# Altium PCB DE842170260.PcbDoc (part 1 of 2)
Units mm, origin at the board's own origin, x right, y up, seen from the top; angles counter-clockwise.
Board outline 79 x 26 mm, 7 copper layers (Top Layer, Layer 1, Layer 1 (Plane1), Layer 2, Layer 3, Layer 4, Bottom Layer), stack 1.171 mm thick; 199 components, 120 nets, 654 pads, 5 vias.
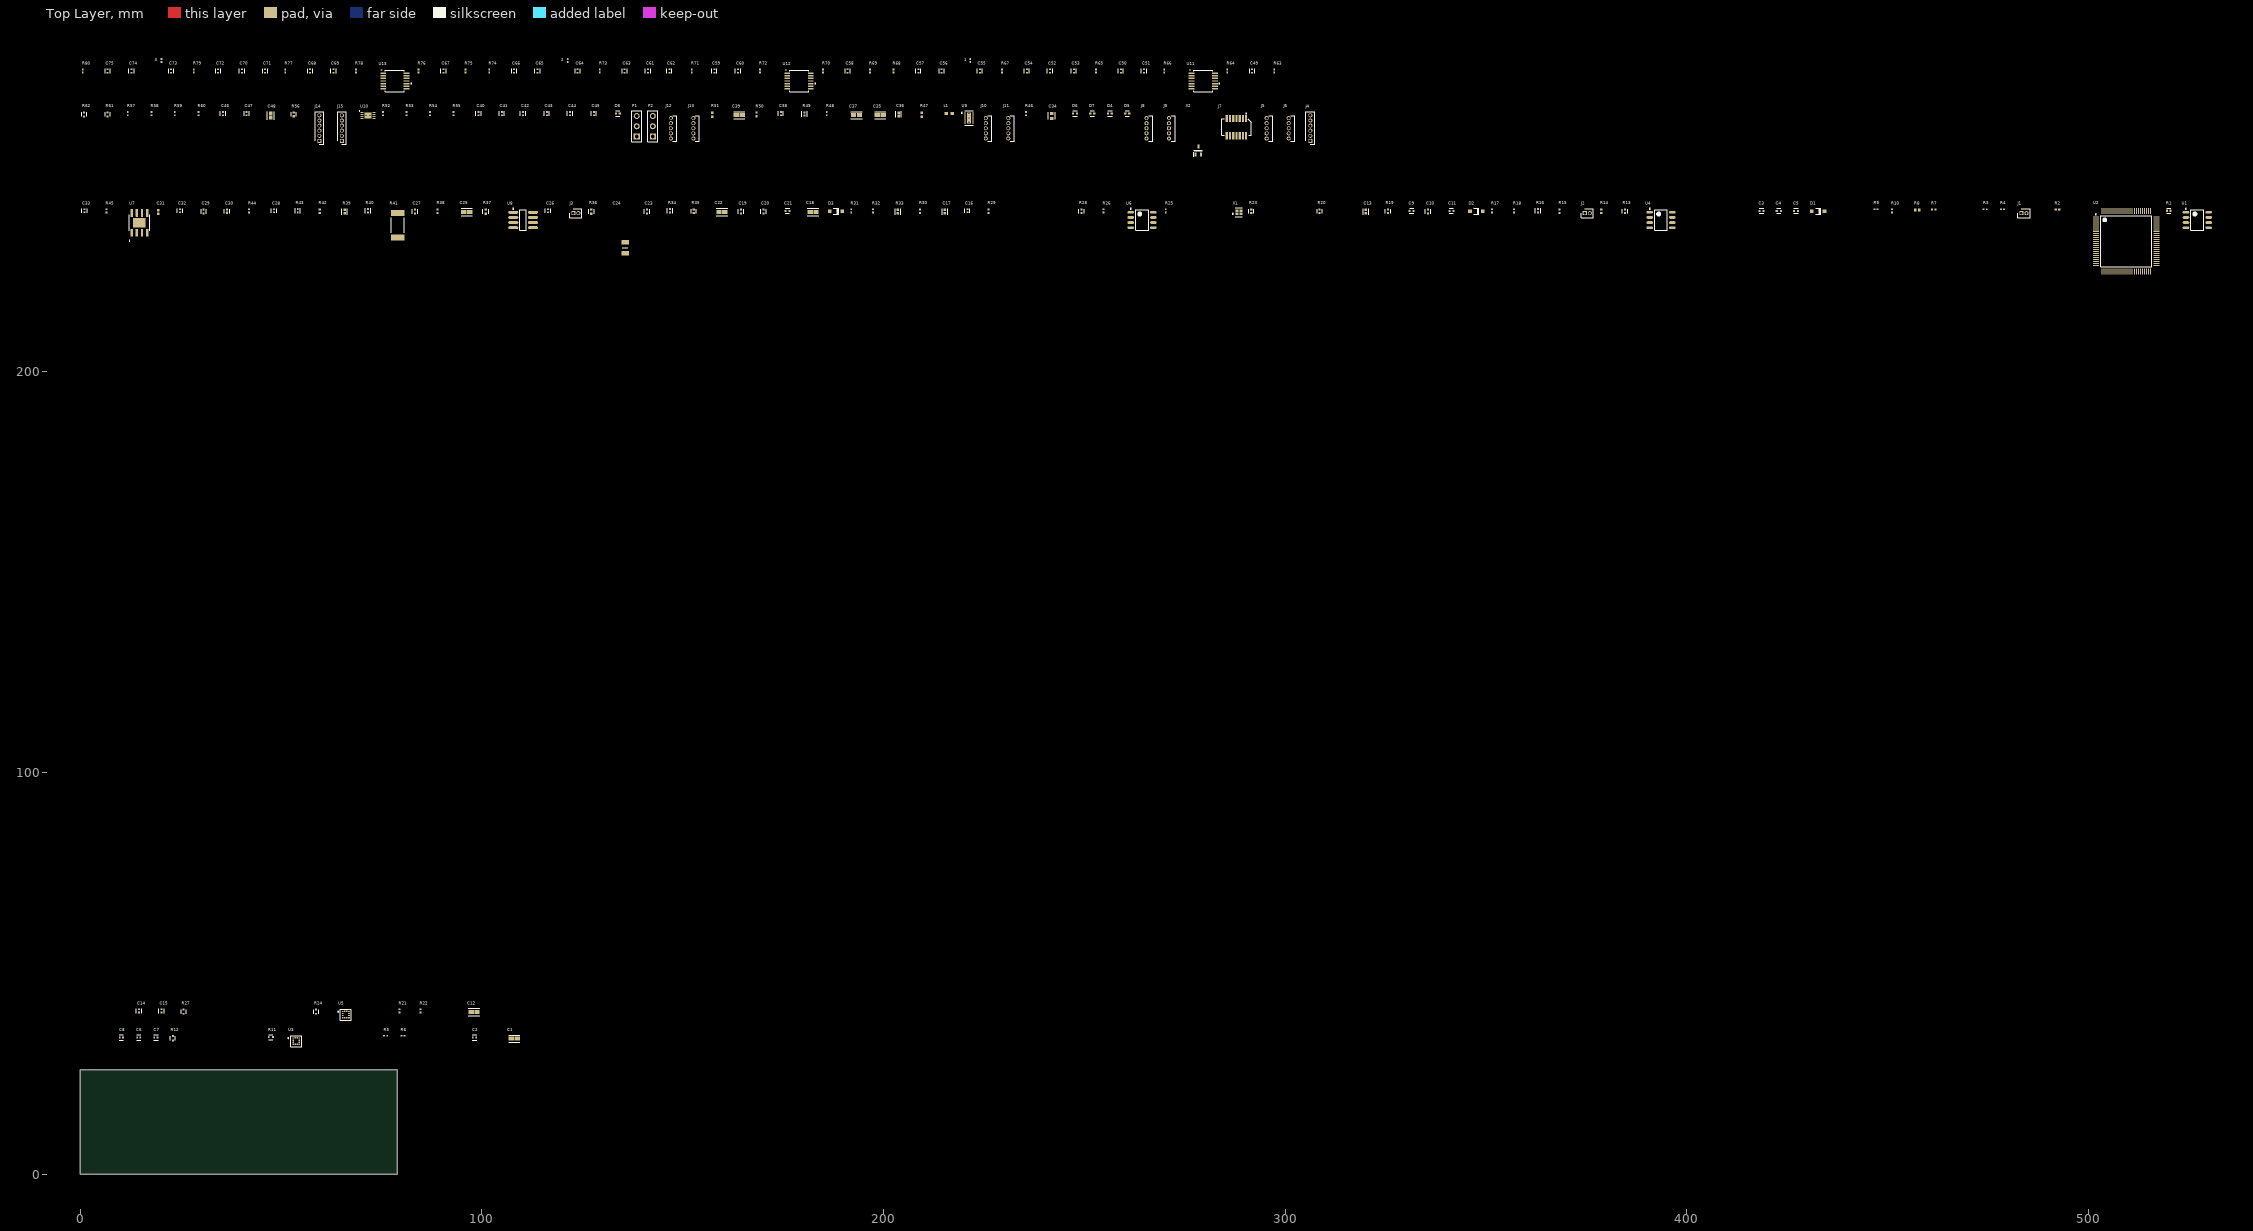
[diagram p0: Top Layer view]
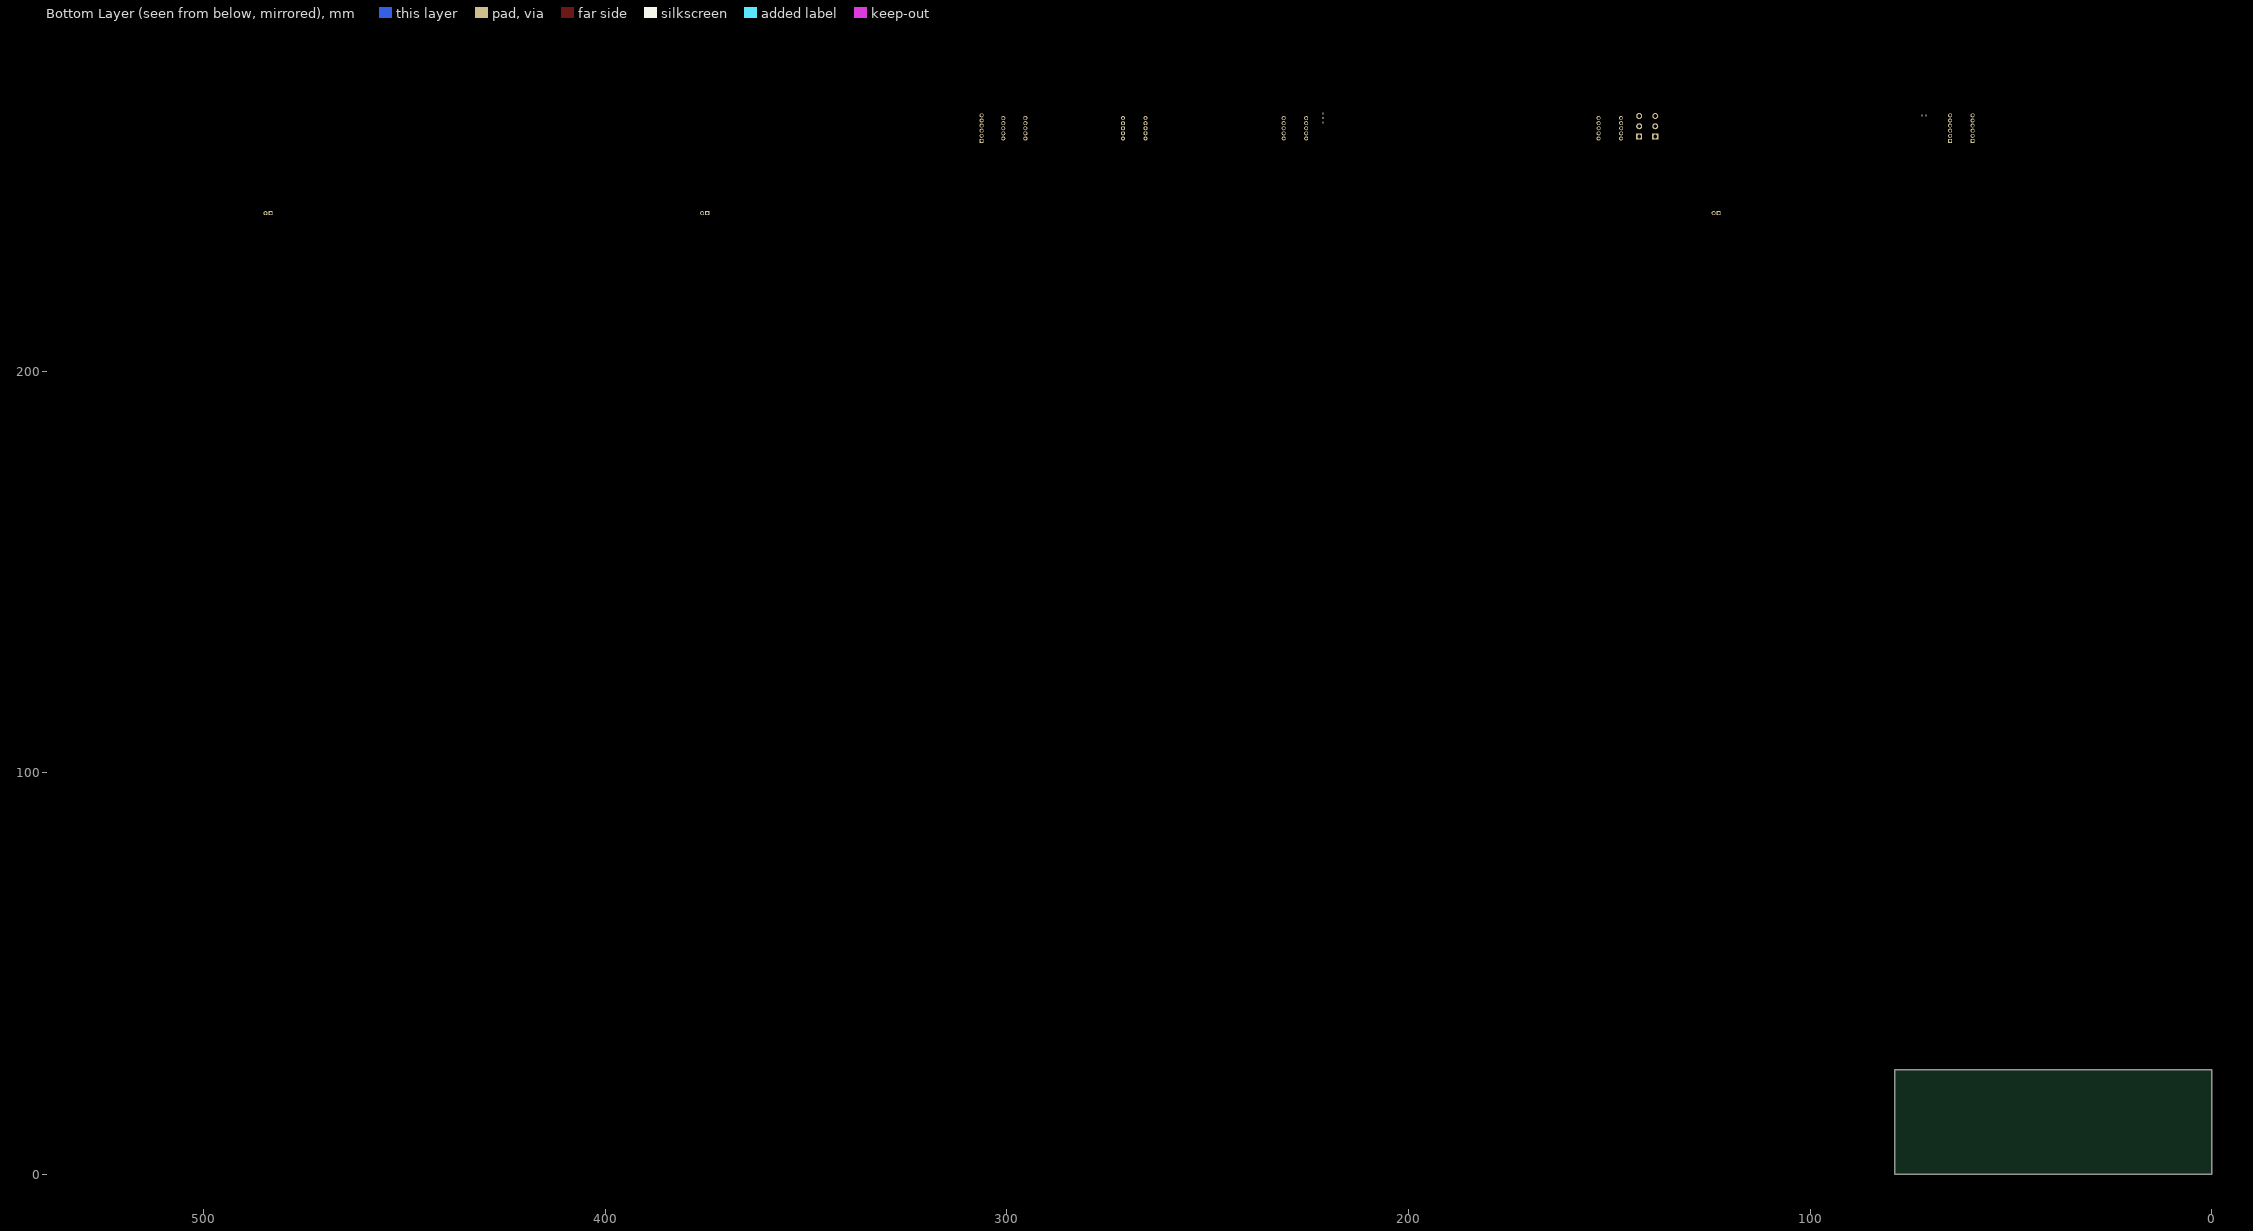
[diagram p1: Bottom Layer view, seen from below]
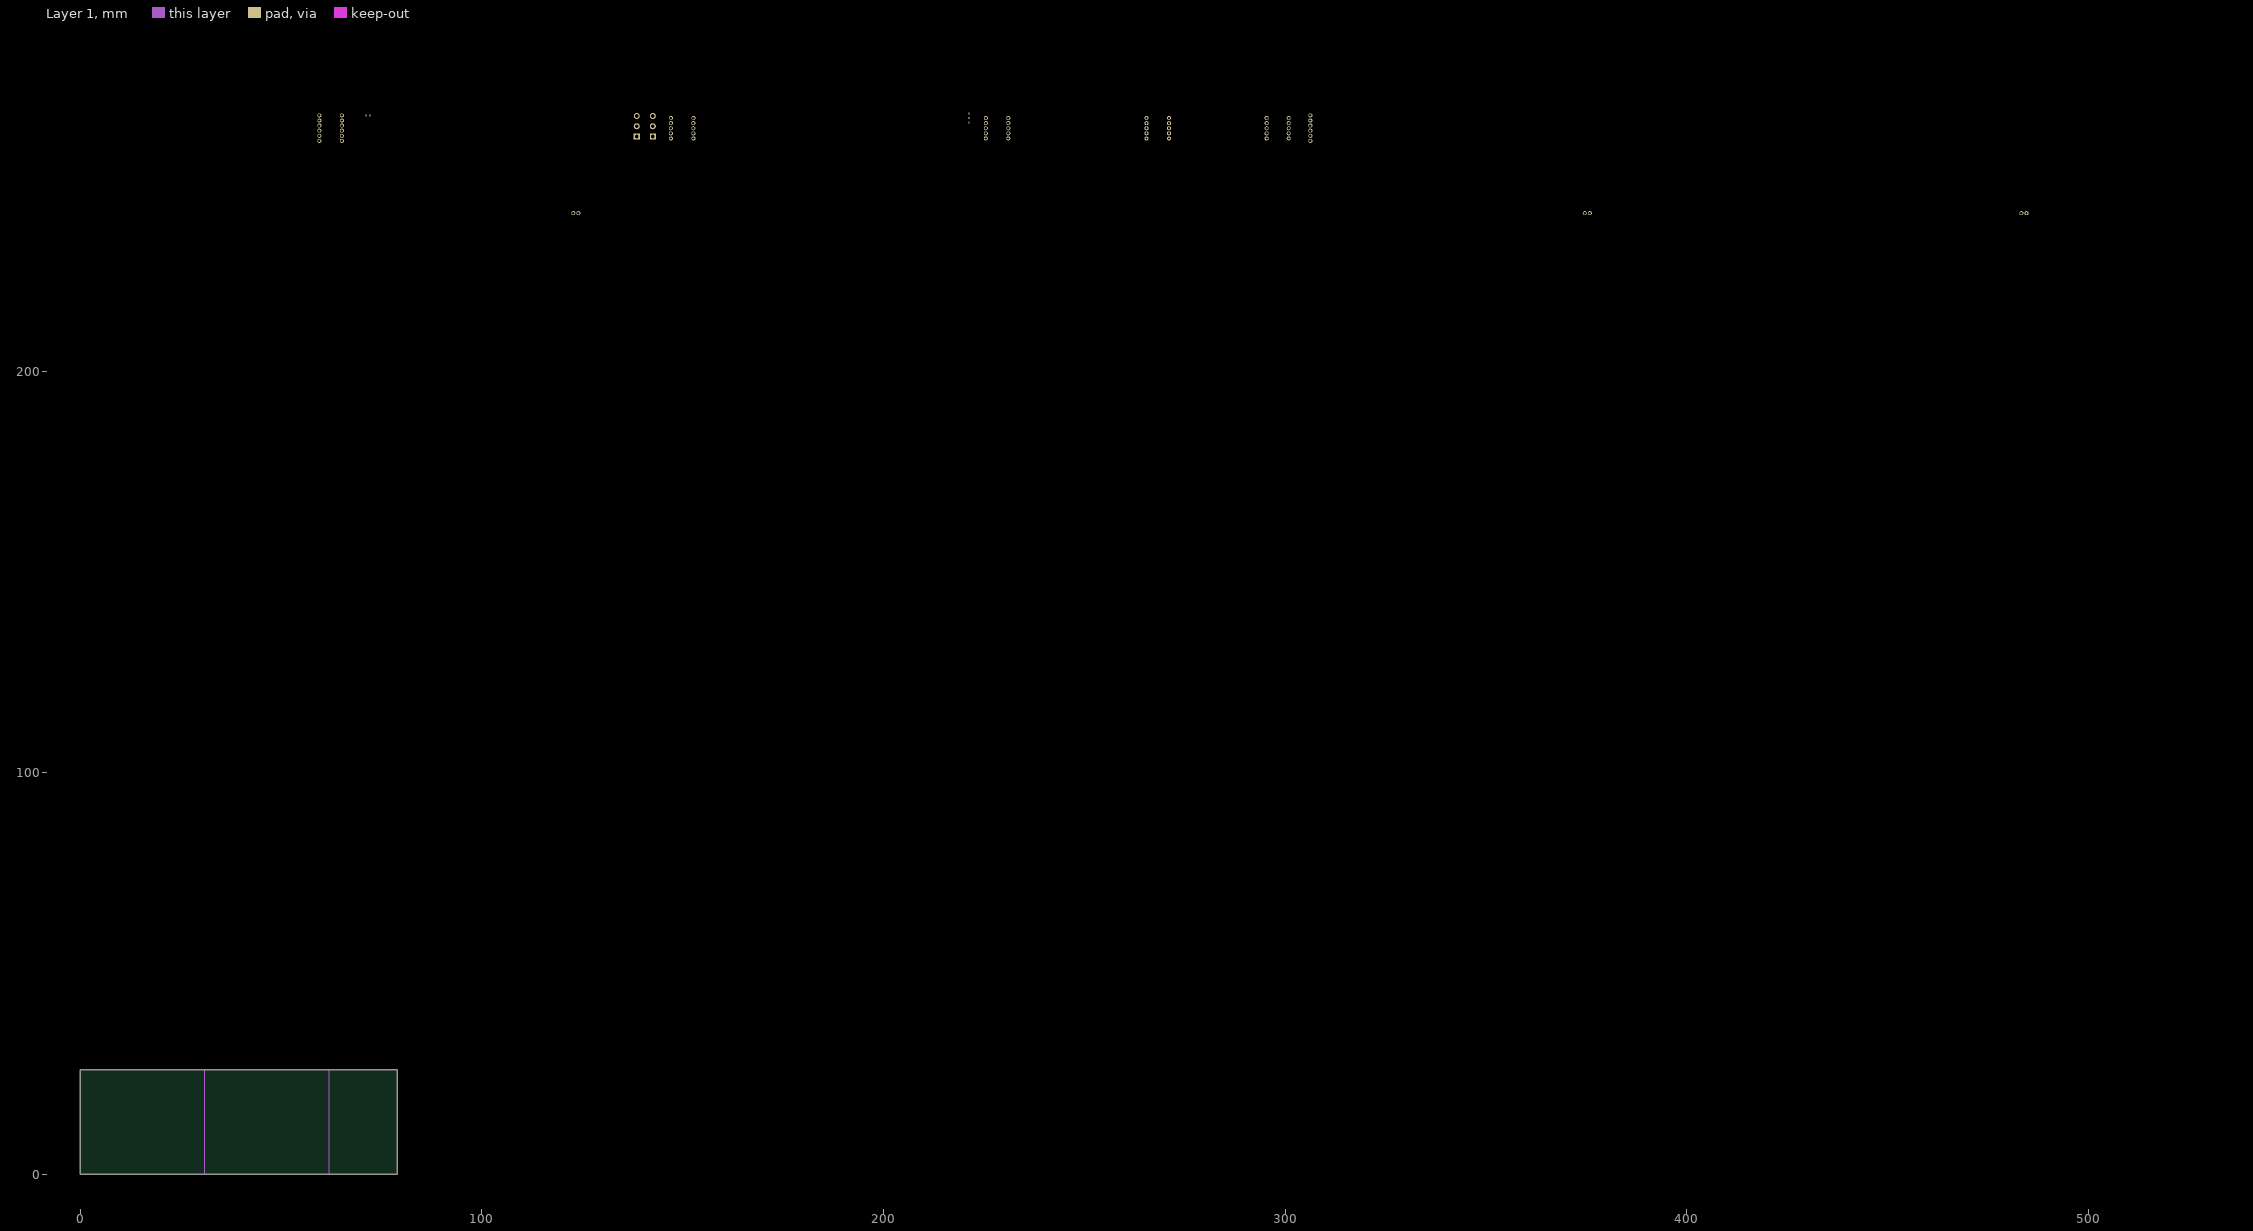
[diagram p2: Layer 1]
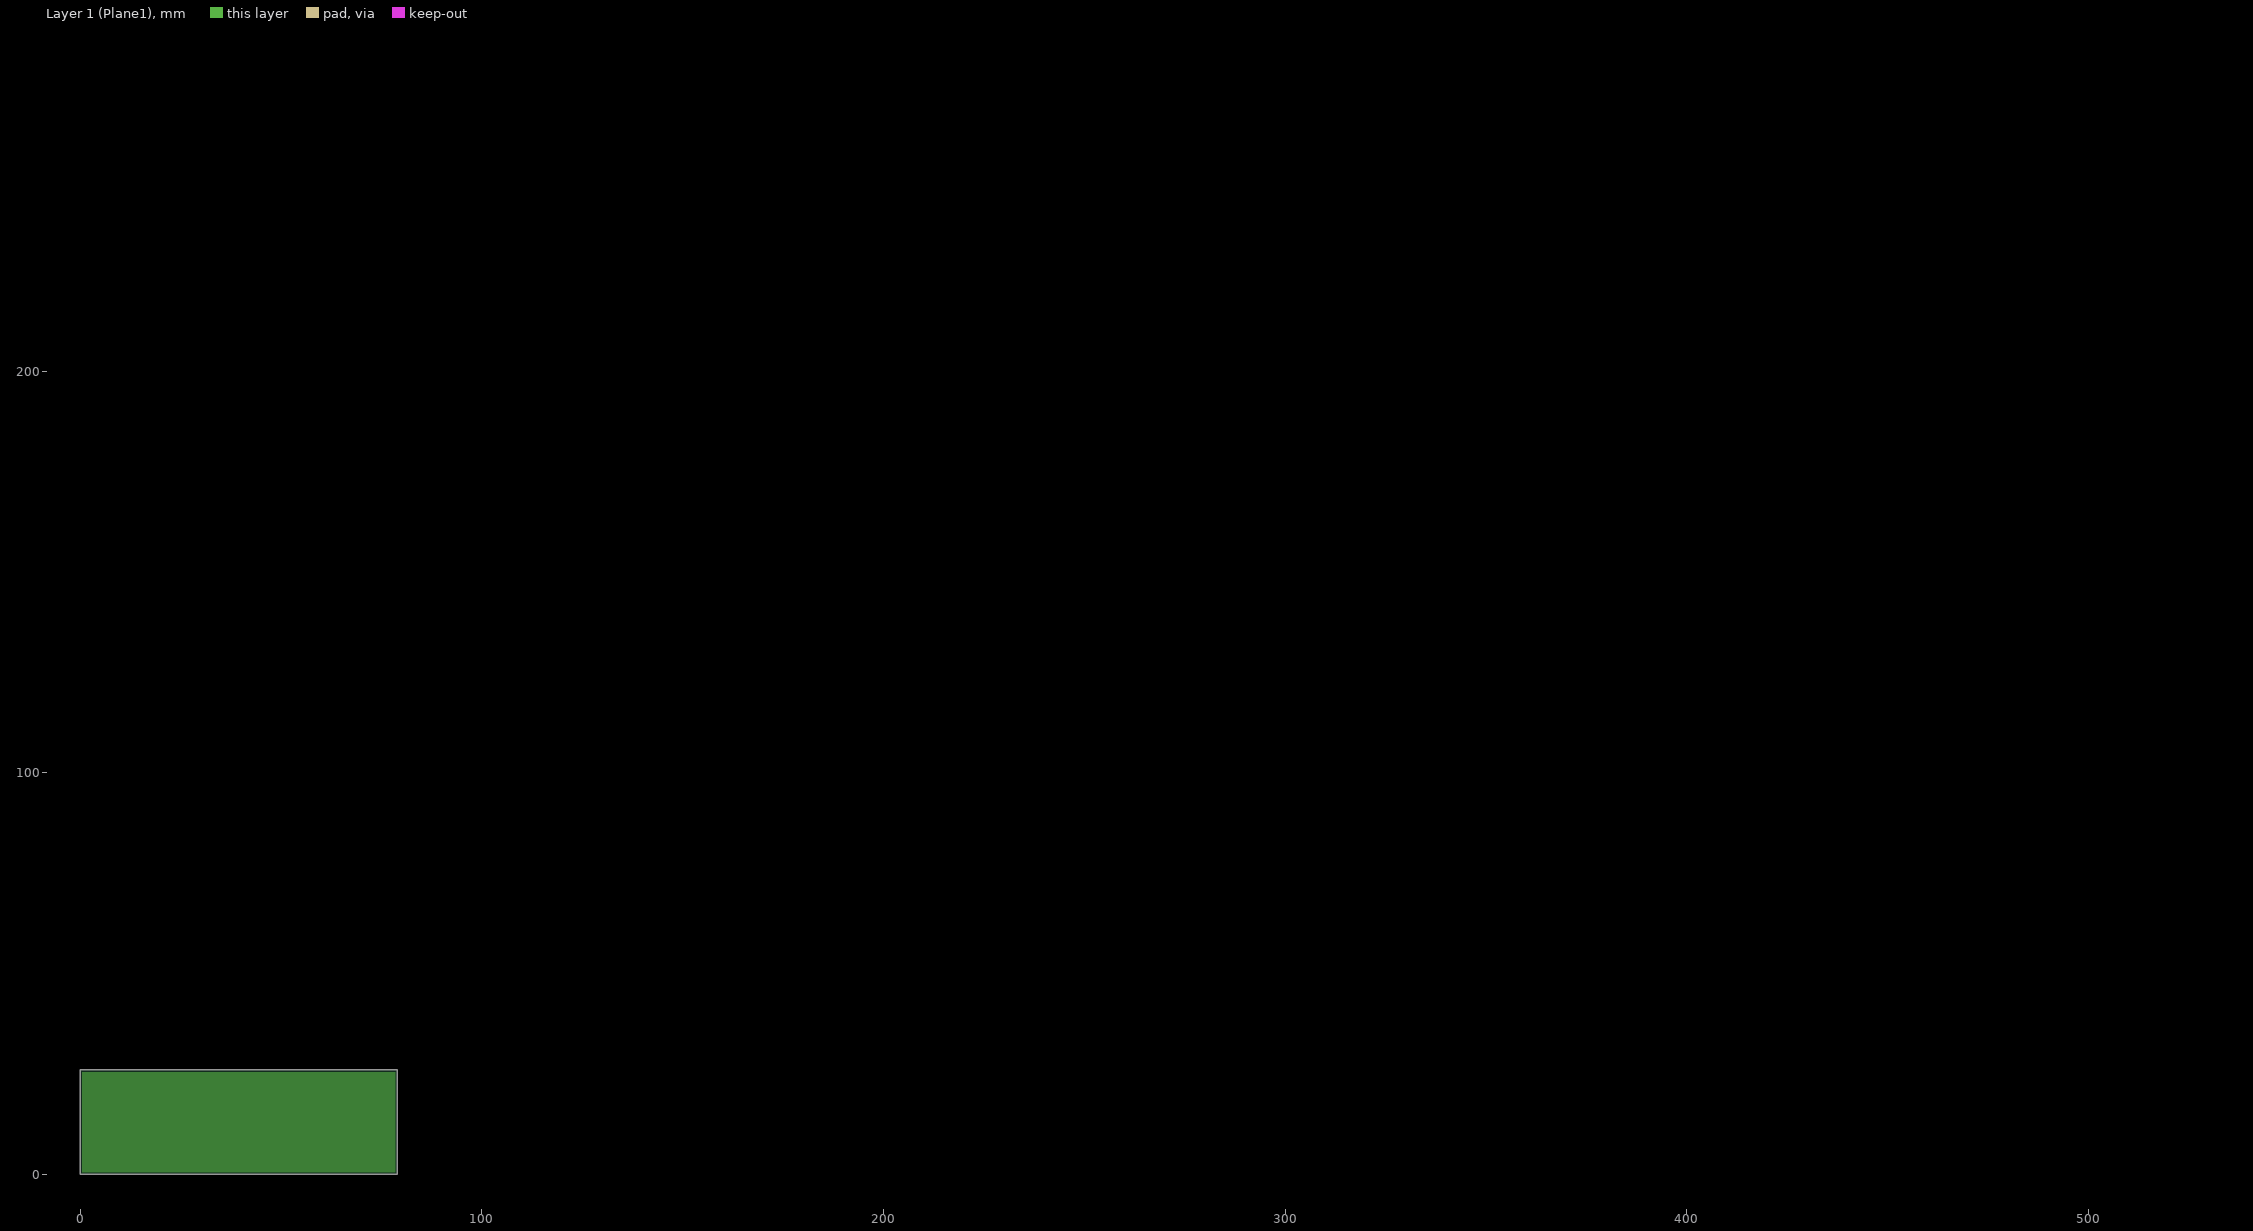
[diagram p3: Layer 1 (Plane1), clearances drawn from the general rule]